# Altium PCB Grandmaster.PcbDoc (part 2 of 3) (continued)
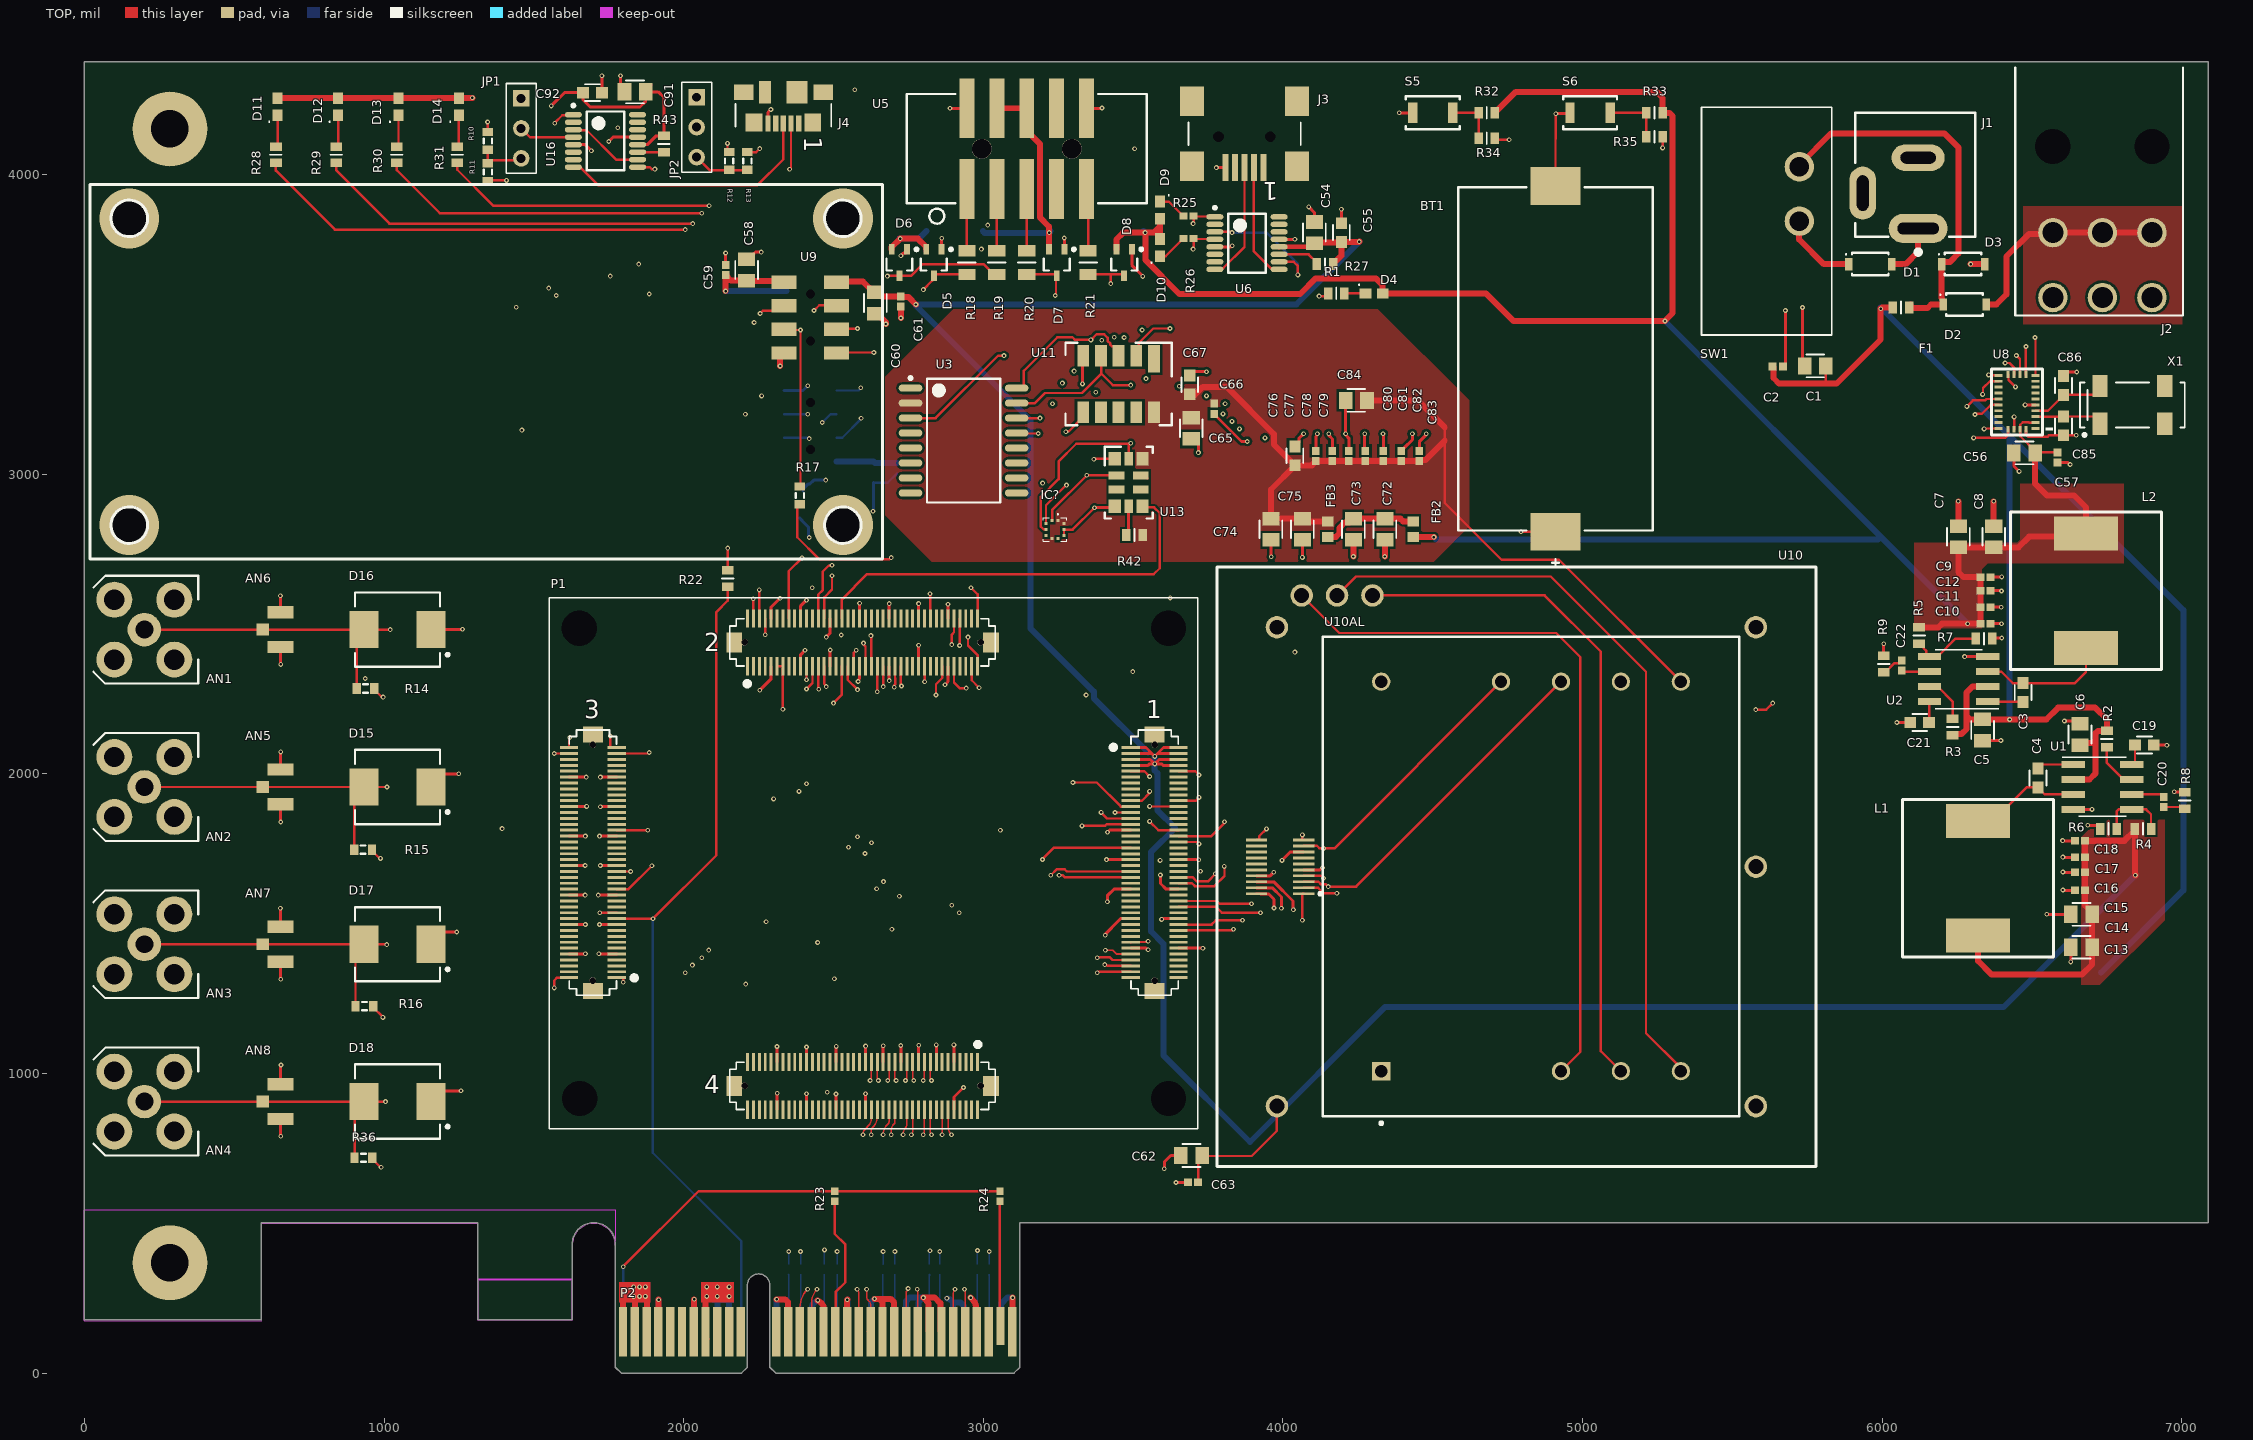
[diagram p0: TOP view]
## Nets (pads, with @x,y where several pads share a name; then routed paths per layer and width w, separated by ;. In a path a pad name is that pad's centre, name@x,y a point inside that pad or via, vN(x,y) a via of type N, cw(c..) or ccw(c..) an arc to the next point about the centre after c; other vN are vias at no path point) (continued)
  TOP w20: v1@1915.49,244.76 1915.49,111.71 P2.B4@1916.14,111.06 ; P2.B7@2034.25,111.06 2034.25,245.47 v1(2034.84,246.06) ; v1(2309.84,246.06) 2338.58,246.06 2347.56,237.08 2347.56,112.71 P2.B13@2349.21,111.06 ; v1(2321.54,3361.06) 2321.54,3397.76 U9.8@2329.84,3406.06 ; v1(2447.05,242.59) 2459.34,233.29 cw(c2447.32,217.31) 2467.32,217.31 P2.B16@2467.32,111.06 ; P2.B18@2545.45,111.67 2545.45,244.23 v1(2546.06,244.84) ; C60.2@2639.84,3535.63 2645.75,3535.63 2674.84,3506.54 v1(2674.84,3501.06) ; P2.B21@2663.39,137.8 2663.39,235.33 2651.67,247.05 2637.73,247.05 v1(2636.87,247.91) 2690.79,247.91 2702.5,236.19 P2.B22@2702.5,180.6 ; P2.B22@2702.76,137.8 2702.5,138.05 P2.B22@2702.5,180.6 ; P2.B22@2703.54,111.06 2703.54,179.56 P2.B22@2702.5,180.6 ; v1(2724.84,3521.06) C61.2@2724.84,3559.13 ; P2.B25@2820.87,137.8 2817.66,141 2817.66,233.52 2799.21,251.97 2837.6,251.97 2856.54,233.03 2856.54,141.49 2857.02,141.01 P2.B26@2860.24,137.8 ; v1(2957.48,251.97) 2969.71,237.9 cw(c2954.65,224.74) 2974.65,224.74 2974.65,141.49 2975.13,141.01 P2.B29@2978.35,137.8 ; P2.B32@3097.24,111.06 3097.44,111.26 v1(3097.44,251.97) ; v1(4234.84,2725.06) C73.1@4234.84,2780.63 ; v1(4339.84,2725.06) C72.1@4339.84,2780.63 ; C7.2@6253.94,2826.77 v1(6253.94,2909.45) ; C8.2@6372.05,2826.77 v1(6372.05,2909.45)
  IN1 w8: v1(3183.07,3135.83) 3210.63,3135.83 3262.8,3187.99 3297.24,3187.99 3331.69,3153.54 3331.69,3075.79 3275.59,3019.69 3275.59,2984.25 3276.26,2983.58 3276.26,2964.88 v1(3277.56,2963.58) 3351.55,2889.59 3369.31,2889.59 v1(3370.84,2888.06)
  BOTTOM w8: C89.2@2632.84,2971.63 2681.13,2971.63 2711.84,3002.35 C90.2@2711.84,3003.13
  BOTTOM w10: U14.8@2334.84,3279.06 2397.84,3279.06 v1(2413.84,3295.06) ; C88.2@2385.77,2854.06 2386.56,2854.06 2394.16,2846.46 2394.16,2845.68 2415.84,2823.99 2415.84,2792.06 v1(2419.28,2788.63) ; C87.2@2398.28,2944.06 2398.28,2949.97 2415.91,2967.61 2421.82,2967.61 2434.28,2980.06 v1(2473.84,2980.06) ; v1(2631.84,2876.06) 2632.84,2877.06 C89.2@2632.84,2971.63
  BOTTOM w20: P2.A4@1916.14,111.06 v1(1916.14,244.76) ; P2.A12@2309.84,111.06 v1(2309.84,246.06) ; P2.A15@2427.95,111.06 2427.95,218.88 cw(c2447.95,218.88) 2436.58,235.33 v1(2447.05,242.59) ; P2.A18@2546.06,111.06 v1(2546.06,244.84) ; P2.A20@2624.8,111.06 2624.8,235.83 v1(2636.87,247.91) ; P2.A23@2742.13,137.8 2742.13,240.25 2753.84,251.97 v1@2799.21,251.97 ; P2.A24@2781.5,137.8 2782.73,139.03 2782.73,235.49 v1@2799.21,251.97 ; v1(2800,251.97) v1@2799.21,251.97 ; v1@2878.31,249.6 cw(c2876.91,229.64) 2891.04,243.8 ; 2891.06,243.79 2898.86,235.98 ; P2.A27@2899.61,137.8 2898.86,138.54 2898.86,235.98 ; P2.A28@2938.98,137.8 2935.76,141.01 2934.98,141.8 2934.98,224.26 2923.26,235.98 2898.86,235.98 ; P2.A31@3057.09,137.8 P2.A31@3058.32,139.03 ; P2.A31@3057.87,111.06 3058.32,111.51 P2.A31@3058.32,139.03 ; v1(3097.44,251.97) 3079.88,251.97 3059.3,231.39 3059.3,140.02 P2.A31@3058.32,139.03
  other v1: 2878.28,249.6 3554.84,1941.06 2581.84,2308.06 937.01,2317.91 2860.84,3787.06 3269.84,3788.06
  other v2: 149.51,2830.05 2531.4,2830.05 149.51,3853.67 2531.4,3853.67
GPS1_RST: P1.1-22 U9.4 | length 3087.2
  TOP w8: v1(2254.84,3536.06) 2264.28,3545.5 2311.8,3545.5 U9.4@2329.84,3563.54 ; v1(3554.84,1891.06) 3555.12,1890.78 3651.18,1890.78 P1.1-22@3651.46,1890.5
  IN1 w8: v1(2299.84,1916.06) 3334.5,1916.06 3350.5,1900.06 3444.07,1900.06 3453.07,1891.06 v1(3554.84,1891.06)
  IN2 w8: v1(2254.84,3536.06) 2299.84,3491.06 v1(2299.84,1916.06)
GPS1_RX: JP2.1 P1.2-79 U9.5 | length 2850.7
  TOP w8: U9.5@2504.84,3484.8 2578.58,3484.8 v1(2579.84,3486.06) ; v1(2948.84,2456.06) 2948.84,2428.06 2980.69,2396.21 P1.2-79@2980.69,2358.81
  IN1 w8: v1(2525.84,2463.06) 2598.56,2463.06 2616.56,2481.06 2923.84,2481.06 v1(2948.84,2456.06)
  IN2 w8: JP2.1@2043.31,4257.87 2163.39,4257.87 2294.29,4126.97 2294.29,3901.94 ccw(c2302.29,3901.94) 2296.63,3896.28 2577.47,3615.44 cw(c2571.84,3609.76) 2579.84,3609.8 ; v1(2525.84,2463.06) 2525.84,2613.08 cw(c2533.84,2613.08) 2528.19,2618.74 2664.98,2755.53 ccw(c2659.32,2761.19) 2667.32,2761.19 2667.32,3155.51 2527.84,3294.99 2527.84,3434.06 v1(2579.84,3486.06) 2579.84,3609.76
GPS1_TP1: P1.1-32 R17.1 R36.1 U9.6 | length 6322
  TOP w8: R36.1@960.63,718.5 960.63,714.57 988.19,687.01 v1(990.16,687.01) ; U9.6@2329.84,3484.8 2333.58,3481.06 v1(2389.84,3481.06) 2389.84,2960.71 R17.1@2387.8,2958.66 ; P1.1-32@3651.46,1792.07 3760.85,1792.07 3804.84,1836.06 v1(3804.84,1840.06)
  IN1 w8: v1(1393.7,1816.93) 1517.83,1941.06 v1(2384.84,1941.06) 3332.13,1941.06 3357.13,1916.06 3569.78,1916.06 3588.78,1897.06 3747.84,1897.06 v1(3804.84,1840.06)
  IN2 w8: v1(990.16,687.01) 1217.52,687.01 1363.19,832.68 1363.19,1786.42 v1(1393.7,1816.93) ; v1(2384.84,1941.06) 2384.84,1943.23 2389.84,1948.23 2389.84,2398.78 2341.54,2447.09 2341.54,3430.59 2389.84,3478.9 v1(2389.84,3481.06)
GPS1_TP2: P1.1-34 U9.7 | length 3109.4
  TOP w8: U9.7@2504.84,3406.06 v1(2634.84,3406.06) ; P1.1-34@3651.46,1772.39 3715.16,1772.39 3719.84,1767.71 v1(3719.84,1766.06)
  IN1 w8: v1(2549.84,1755.06) 2612.13,1755.06 2617.13,1750.06 3483.86,1750.06 3499.86,1766.06 v1(3719.84,1766.06)
  IN2 w8: v1(2549.84,1755.06) 2549.84,2609.52 cw(c2557.84,2609.52) 2552.19,2615.18 2684.66,2747.66 ccw(c2679.01,2753.31) 2687.01,2753.31 2687.01,3353.9 v1(2634.84,3406.06)
GPS1_TX: JP1.1 P1.2-80 U9.3 | length 3472.4
  TOP w8: v1(2434.84,3546.06) 2452.32,3563.54 U9.3@2504.84,3563.54 ; v1(2958.84,2621.06) 2980.69,2599.21 P1.2-80@2980.69,2518.25
  IN1 w8: v1(1440.84,3557.06) 2423.84,3557.06 v1(2434.84,3546.06) ; v1(2429.19,2621.06) v1(2958.84,2621.06)
  IN2 w8: JP1.1@1438.84,4260.06 1380.84,4202.06 1380.84,3617.06 v1(1440.84,3557.06) ; v1(2429.19,2621.06) 2362.2,2688.05 2362.2,3298.9 2459.46,3396.15 2459.46,3521.45 v1(2434.84,3546.06)
GPS2_RST: P1.1-35 U14.4 | length 2494.1
  TOP w8: v1(3197.26,1714.06) 3197.26,1715.48 3234.48,1752.7 P1.1-35@3492.02,1752.7
  IN1 w8: v1(2418.72,3118.51) 2428.4,3118.51 2577.42,2969.49 3096.55,2969.49 3097.13,2970.06 v1(3197.84,2970.06)
  IN2 w8: v1(3197.26,1714.06) 3197.26,2969.48 v1(3197.84,2970.06)
  BOTTOM w8: U14.4@2334.84,3121.58 2415.64,3121.58 v1(2418.72,3118.51)
GPS2_RX: P1.3-1 R12.1 U14.5 | length 5582.5
  TOP w8: P1.3-1@1776.55,1319.67 1797.31,1319.67 1798.23,1318.75 v1(1798.23,1304.13) ; v1(2146.07,4103.79) 2146.07,4076.37 2147.64,4074.8 R12.1@2151.57,4074.8
  IN1 w8: v1(1459.84,3147.06) 2435.45,3147.06 2460.63,3172.24 v1(2462.37,3172.24) ; v1(1798.23,1304.13) 1810.16,1316.06 2013.13,1316.06 2016.13,1319.06 2499.84,1319.06 v1(2502.84,1316.06)
  IN2 w8: v1(1459.84,3147.06) 1459.84,3463.78 1478.35,3482.28 1478.35,3892.85 1631.89,4046.39 1631.89,4199.8 1681.1,4249.02 1836.61,4249.02 1925.2,4160.43 1979.33,4106.3 2143.56,4106.3 v1(2146.07,4103.79) ; v1(2462.37,3172.24) 2653.54,2981.07 2653.54,2767.72 2505.84,2620.02 2505.84,2442.78 2519.84,2428.78 2519.84,2227.78 2502.84,2210.78 v1(2502.84,1316.06)
  BOTTOM w8: v1(2462.37,3172.24) 2490.45,3200.32 U14.5@2509.84,3200.32
GPS2_TP1: P1.1-43 U14.6 | length 2783.9
  TOP w8: v1(3224.84,1661.35) 3244.56,1681.06 3271.69,1681.06 3278.79,1673.96 P1.1-43@3492.02,1673.96
  IN1 w8: v1(2414.06,3199.85) 2416.22,3199.85 2429.1,3212.73 2438.51,3212.73 2460.84,3235.06 2680.42,3235.06 2702.92,3257.56 2974.61,3257.56 2997.11,3235.06 v1(3230.84,3235.06)
  IN2 w8: v1(3224.84,1661.35) 3224.84,3229.06 v1(3230.84,3235.06)
  BOTTOM w8: U14.6@2334.84,3200.32 2335.31,3199.85 v1(2414.06,3199.85)
GPS2_TP2: P1.1-45 U14.7 | length 2654.7
  TOP w8: v1(3252.84,1661.06) 3265.87,1661.06 3272.65,1654.28 P1.1-45@3492.02,1654.28
  IN1 w8: v1(2590.84,3288.06) 2593.01,3288.06 2598.01,3293.06 3252.84,3293.06 v1(3263.7,3303.92)
  IN2 w8: v1(3252.84,1661.06) 3252.84,3293.06 v1(3263.7,3303.92)
  BOTTOM w8: U14.7@2509.84,3279.06 2583.84,3279.06 2589.84,3285.06 2589.84,3287.06 v1(2590.84,3288.06)
GPS2_TX: P1.3-2 R10.1 U14.3 | length 5190.8
  TOP w8: v1(1345.47,4175.2) 1345.47,4142.72 R10.1@1346.46,4141.73 ; v1(1567.91,1285.43) 1567.91,1310.04 1577.55,1319.67 P1.3-2@1617.11,1319.67
  IN1 w8: v1(1567.91,1285.43) 1572.17,1281.18 2189.96,1281.18 v1(2206.84,1298.06) ; v1(2205.84,3200.06) 2385.56,3200.06 2411.56,3174.06 2428.13,3174.06 2454.13,3200.06 2577.4,3200.06 2591.24,3186.22 v1(2591.84,3186.22)
  IN2 w8: v1(1345.47,4175.2) 1345.47,4266.73 1393.7,4314.96 1586.61,4314.96 1625,4276.57 1881.89,4276.57 1951.77,4206.69 2143.7,4206.69 2205.84,4144.55 v1(2205.84,3200.06) 2205.84,2468.11 2225.96,2447.99 2225.96,2429.08 2205.84,2408.96 2205.84,1299.06 v1(2206.84,1298.06)
  BOTTOM w8: U14.3@2509.84,3121.58 2529.23,3121.58 2591.84,3184.19 v1(2591.84,3186.22) v1@2590.31,3187.75
IMU_BOOT: P1.1-62 U8.4 | length 4561.5
  TOP w8: P1.1-62@3651.46,1496.8 3761.65,1496.8 3775.91,1511.06 v1(3864.84,1511.06) ; v1(6439.84,3191.06) 6440,3190.91 U8.4@6440,3150.02
  IN1 w8: v1(3829.84,3176.06) 6274.84,3176.06 6275.84,3175.06 6361.79,3175.06 6377.79,3191.06 v1(6439.84,3191.06)
  IN2 w8: v1(3829.84,3176.06) 3829.84,2873.52 3824.34,2868.02 3824.34,2361.9 3864.84,2321.4 v1(3864.84,1511.06)
IMU_CLKSEL0: P1.1-64 U8.10 | length 4522.1
  TOP w8: P1.1-64@3651.46,1477.11 3652.38,1478.03 3831.81,1478.03 v1(3834.84,1481.06) ; v1(6309.42,3199.06) 6311.42,3201.06 6331.86,3201.06 6362.02,3231.22 U8.10@6388.33,3231.22
  IN1 w8: v1(3799.84,3201.06) 3800.84,3200.06 6308.42,3200.06 v1(6309.42,3199.06)
  IN2 w8: v1(3799.84,3201.06) 3799.84,2356.4 3834.84,2321.4 v1(3834.84,1481.06)
IMU_ENV_SCL: P1.3-31 U8.15 | length 6353.8
  TOP w8: P1.3-31@1776.55,1614.95 1815.73,1614.95 v1(1893.84,1693.06) ; v1(3589.84,1711.06) v1@3591.54,1711.06 ; v1(6354.75,3331.14) 6356.24,3329.65 U8.15@6388.33,3329.65
  IN1 w8: v1(1893.84,1693.06) 3204.55,1693.06 3205.83,1694.35 3312.13,1694.35 3312.83,1693.65 3419.13,1693.65 3436.54,1711.06 v1(3589.84,1711.06) ; v1(3542.86,3319.04) 6342.65,3319.04 v1(6354.75,3331.14)
  IN2 w8: v1(3542.86,3319.04) 3542.86,2415.8 3604.84,2353.82 3604.84,2090 3613.84,2081 3613.84,1735.06 v1(3589.84,1711.06)
IMU_ENV_SDA: P1.3-37 U8.16 | length 6452.8
  TOP w8: P1.3-37@1776.55,1674 v1(1822.78,1674) ; v1@3724.29,1674.51 v1(3724.84,1675.06) ; U8.16@6420.31,3332.11 6421.24,3331.18 6421.24,3314.67 v1(6444.84,3291.06)
  IN1 w8: v1(1822.78,1674) 1882.5,1674 1883.56,1675.06 1885.56,1673.06 3202.93,1673.06 3211.22,1681.35 3306.75,1681.35 3307.44,1680.65 3429.63,1680.65 3431.04,1682.06 3599.13,1682.06 3606.13,1675.06 v1(3724.84,1675.06) ; v1(3653.84,3293.06) 3655.37,3294.59 3661.03,3294.59 3662.5,3296.06 6433.35,3296.06 6438.35,3291.06 v1(6444.84,3291.06)
  IN2 w8: v1(3653.84,3293.06) 3695.87,3251.04 3695.87,1700.04 3720.84,1675.06 v1(3724.84,1675.06)
IMU_INT: P1.1-46 U8.14 | length 4434.2
  TOP w8: P1.1-46@3651.46,1654.28 3699.2,1654.28 3712.42,1641.06 3749.84,1641.06 3773.86,1665.08 v1(3773.86,1666.1) ; v1@6334.84,3269.78 v1(6334.84,3266.06) 6336.37,3267.59 6336.37,3287.16 6359.48,3310.26 6388.02,3310.26 U8.14@6388.33,3309.96 U8.14@6379.96,3309.96
  IN1 w8: v1(3744.84,3261.06) 3747.01,3261.06 3750.71,3264.76 5049.54,3264.76 5050.84,3266.06 v1(6334.84,3266.06)
  IN2 w8: v1(3744.84,3261.06) 3744.84,1711.06 3774.84,1681.06 3774.84,1667.08 v1(3773.86,1666.1)
IMU_NRST: P1.1-48 U8.11 | length 4382.6
  TOP w8: P1.1-48@3651.46,1634.59 3696.26,1634.59 3705.79,1625.06 3770.61,1625.06 3804.84,1659.29 3804.84,1690.06 v1(3803.84,1691.06) ; v1(6282.42,3226.06) 6302.42,3246.06 6343.13,3246.06 6347.97,3250.91 U8.11@6388.33,3250.91
  IN1 w8: v1(3806.84,3235.06) 6269.09,3235.06 6278.09,3226.06 v1(6282.42,3226.06)
  IN2 w8: v1(3803.84,1691.06) 3803.84,1692.06 3769.84,1726.06 3769.84,3215.06 3789.84,3235.06 v1(3806.84,3235.06)
IMU_PS0: P1.1-54 U8.6 | length 4398.3
  TOP w8: P1.1-54@3651.46,1575.54 3779.04,1575.54 3788.52,1566.06 v1(3894.84,1566.06) ; v1(6339.84,3151.06) 6341.26,3152.48 U8.6@6388.33,3152.48
  IN1 w8: v1(3854.84,3151.06) 3857.01,3151.06 3861.01,3155.06 4060.56,3155.06 6333.68,3155.06 6337.68,3151.06 v1(6339.84,3151.06)
  IN2 w8: v1(3854.84,3151.06) 3854.84,2875.9 3840.34,2861.4 3840.34,2368.53 3894.84,2314.03 v1(3894.84,1566.06)
IMU_PS1: P1.1-56 U8.5 | length 4384.7
  TOP w8: P1.1-56@3651.46,1555.85 3776.11,1555.85 3795.9,1536.06 v1(3924.84,1536.06) ; v1(6304.84,3121.06) 6410.43,3121.06 6420.31,3130.94 U8.5@6420.31,3150.02
  IN1 w8: v1(3939.84,3121.06) 3942.01,3121.06 3948.01,3115.06 4012.57,3115.06 6296.68,3115.06 6302.68,3121.06 v1(6304.84,3121.06)
  IN2 w8: v1(3924.84,1536.06) 3924.84,1681.2 3920.84,1685.2 3920.84,3102.06 v1(3939.84,3121.06)
KEY1: P1.3-23 R34.1 | length 5787.3
  TOP w8: v1(1719.84,1536.06) 1719.92,1536.14 1776.48,1536.14 P1.3-23@1776.55,1536.21 ; R34.1@4707.01,4121.06 4712.14,4115.93 v1(4754.71,4115.93)
  IN1 w8: v1(1779.84,4156.06) 1965.12,4156.06 2018.7,4209.65 2067.91,4209.65 2121.49,4156.06 3970.1,4156.06 4010.23,4115.93 v1(4754.71,4115.93)
  IN2 w8: v1(1719.84,1536.06) 1779.84,1596.06 v1(1779.84,4156.06)
KEY2: P1.1-67 R35.1 | length 4531.6
  TOP w8: P1.1-67@3492.02,1437.74 3492.94,1438.66 3547.44,1438.66 v1(3549.84,1441.06) ; v1(5267.01,4088.9) R35.1@5267.01,4126.06
  IN1 w8: v1(3504.84,4086.06) 3507.68,4088.9 v1(5267.01,4088.9)
  IN2 w8: v1(3504.84,4086.06) 3519.84,4071.06 3519.84,3776.92 3509.84,3766.92 3509.84,3323.78 3523.62,3310 3523.62,1467.28 v1(3549.84,1441.06)
LED1: P1.1-77 R28.1 | length 5441.9
  TOP w8: R28.1@638.97,4038.9 638.97,4012.94 835.84,3816.06 v1(2004.84,3816.06) ; v1(3379.84,1336.06) 3383.1,1339.32 P1.1-77@3492.02,1339.32
  IN1 w8: v1(2004.84,1336.06) v1(3379.84,1336.06)
  IN2 w8: v1(2004.84,1336.06) v1(2004.84,3816.06)
LED2: P1.1-75 R29.1 | length 5229.2
  TOP w8: R29.1@840.64,4038.9 840.64,4013.27 1017.84,3836.06 v1(2029.84,3836.06) ; v1(3404.84,1363.32) 3409.17,1363.32 3413.49,1359 P1.1-75@3492.02,1359
  IN1 w8: v1(2028.84,1361.66) 2029.44,1361.06 3402.58,1361.06 v1(3404.84,1363.32)
  IN2 w8: v1(2028.84,1361.66) 2029.84,1362.66 v1(2029.84,3836.06)
LED3: P1.1-73 R30.1 | length 5022.6
  TOP w8: R30.1@1042.3,4038.9 1042.3,4014.6 1185.84,3871.06 v1(2059.84,3871.06) ; v1(3379.84,1386.06) 3381.1,1387.32 3422.52,1387.32 3431.15,1378.69 P1.1-73@3492.02,1378.69
  IN1 w8: v1(2059.84,1386.06) v1(3379.84,1386.06)
  IN2 w8: v1(2059.84,1386.06) v1(2059.84,3871.06)
LED4: P1.1-71 R31.1 | length 4812
  TOP w6: v1(3407.28,1411.32) 3431.86,1411.32 3444.81,1398.37 P1.1-71@3492.02,1398.37
  TOP w8: R31.1@1243.97,4038.9 1243.97,4015.94 1363.84,3896.06 v1(2084.84,3896.06)
  IN1 w6: v1(2083.84,1411.66) 2084.01,1411.49 3407.11,1411.49 v1(3407.28,1411.32)
  IN2 w6: v1(2083.84,1411.66) 2084.34,1412.16 2084.34,3895.56 v1(2084.84,3896.06)
MAC_10Mout: P1.2-11 P1.2-13 P1.2-33 R16.1 U10.P1 U10.P3 U10AL.12 | length 12508.7
  TOP w8: R16.1@963.58,1224.41 963.58,1220.47 996.06,1187.99 v1(996.06,1187.01) ; P1.2-11@2311.4,2358.81 P1.2-13@2331.08,2358.81 2331.08,2215.3 v1(2330.84,2215.06) ; v1(2499.84,2236.06) 2527.93,2264.15 P1.2-33@2527.93,2358.81 ; v1(5577.84,2214.06) 5612.84,2214.06 v1(5634.84,2236.06)
  IN1 w8: v1(996.06,1187.01) 860.24,1322.83 860.24,2098.43 997.85,2236.04 v1(2499.84,2236.06) ; v1(2330.84,2215.06) v1@5577.84,2215.06 ; v1(2499.84,2236.06) v1(5634.84,2236.06)
  IN2 w8: U10AL.12@4327.76,2307.48 4534.84,2100.39 5634.84,2100.39 ; U10.P1@5578.15,890.62 5634.84,947.31 5634.84,2100.39 ; U10.P3@5578.15,2489.04 5578.15,2214.37 v1(5577.84,2214.06) 5580.01,2214.06 5584.45,2218.5 5586.61,2218.5 ; v1(5634.84,2236.06) 5634.84,2100.39
MAC_ALARM: P1.2-35 U10.20 | length 2022.1
  TOP w8: P1.2-35@2547.62,2358.81 2547.62,2313.28 v1(2579.84,2281.06) ; U10.20@3911.42,1779.62 3919.72,1779.62 3920.64,1780.54 3920.64,1791.86 v1(3944.84,1816.06)
  IN1 w8: v1(2579.84,1790.06) 2635.13,1790.06 2646.13,1779.06 3465.84,1779.06 3486.84,1800.06 3635.86,1800.06 3651.86,1816.06 v1(3944.84,1816.06)
  IN2 w8: v1(2579.84,1790.06) v1(2579.84,2281.06)
MAC_BITE: P1.2-37 U10.P6 U10AL.4 | length 4145.7
  TOP w8: P1.2-37@2567.3,2358.81 2567.3,2403.52 v1(2575.84,2412.06) ; U10.P6@4062.4,2595.34 4187.88,2469.87 4912.02,2469.87 4992.13,2389.76 4992.13,1071.85 U10AL.4@4927.76,1007.48
  IN1 w8: v1(2575.84,2412.06) 2580.17,2412.06 2586.17,2406.06 v1(4039.84,2406.06)
  IN2 w8: v1(4039.84,2406.06) 4062.4,2428.62 U10.P6@4062.4,2595.34
MAC_PPS_IN0+: P1.2-45 R14.1 R17.2 U10.5 U10AL.9 | length 6075.7
  TOP w8: R14.1@967.52,2284.45 967.52,2280.51 990.46,2257.57 995.3,2257.57 v1(996.84,2256.04) ; R17.2@2387.8,2899.61 2378.94,2890.75 2378.94,2789.37 2449.43,2718.88 ccw(c2455.09,2724.54) 2455.09,2716.54 2684.68,2716.54 ccw(c2684.68,2724.54) 2690.34,2718.88 v1(2692.91,2721.46) ; v1(2645.84,2274.06) 2645.84,2299.35 2646.04,2299.55 P1.2-45@2646.04,2358.81 ; U10.5@4068.9,1639.62 4118,1639.62 4126.56,1631.06 4142.62,1631.06 4150.06,1623.62 4243.9,1623.62 U10AL.9@4927.76,2307.48
  IN1 w8: v1(996.84,2256.04) 1732.26,2256.04 1739.23,2249.06 2472.49,2249.06 2494.09,2270.67 2529.53,2270.67 2549.21,2250.98 2608.27,2250.98 2629.82,2272.53 2644.31,2272.53 v1(2645.84,2274.06) ; v1(2643.84,1616.06) 3469.63,1616.06 3477.19,1623.62 v1(4151.31,1623.62)
  IN2 w8: v1(2643.84,1616.06) 2643.84,1711.06 2648.84,1716.06 2648.84,2265.41 2647.37,2266.88 2647.37,2272.53 v1(2645.84,2274.06) 2645.84,2379.11 2665.35,2398.62 2665.35,2503.94 2638.78,2530.51 2638.78,2667.32 v1(2692.91,2721.46)
MAC_PPS_IN0-: P1.2-47 U10.7 | length 2261.3
  TOP w8: P1.2-47@2665.73,2358.81 2665.73,2291.17 v1(2665.84,2291.06) ; U10.7@4068.9,1659.62 4126.16,1659.62 4134.72,1651.06 v1(4134.84,1651.06)
  IN1 w8: v1(2666.84,1640.06) 2667.84,1641.06 3782.77,1641.06 3792.77,1651.06 v1(4134.84,1651.06)
  IN2 w8: v1(2665.84,2291.06) 2665.84,1641.06 v1(2666.84,1640.06)
MAC_PPS_IN1+: P1.2-51 U10.1 | length 2391.1
  TOP w8: v1@2702.84,2293.06 2702.84,2295.23 2705.84,2298.23 2705.84,2319.35 2705.1,2320.09 P1.2-51@2705.1,2358.81 ; v1(4064.84,1511.06) 4064.84,1598.7 4065.76,1599.62 U10.1@4068.9,1599.62
  IN1 w8: v1(2694.84,1481.06) 3543.78,1481.06 3584.78,1440.06 3993.84,1440.06 v1(4064.84,1511.06)
  IN2 w8: v1(2694.84,1481.06) 2694.84,2284.38 2702.84,2292.38 v1@2702.84,2293.06
  other v1: 2702.84,2289.06
MAC_PPS_IN1-: P1.2-53 U10.3 | length 2359.6
  TOP w8: P1.2-53@2724.78,2358.81 2724.78,2297.29 2726.84,2295.23 v1(2726.84,2293.06) ; U10.3@4068.9,1619.62 4117.28,1619.62 4135.84,1601.06 v1(4179.84,1601.06)
  IN1 w8: v1(2719.84,1591.06) 3082.34,1591.06 3091.34,1600.06 3699.32,1600.06 3705.32,1606.06 3952.96,1606.06 3959.4,1599.62 4178.4,1599.62 v1(4179.84,1601.06)
  IN2 w8: v1(2719.84,1591.06) 2719.84,1592.75 2726.84,1599.75 v1(2726.84,2293.06)
MAC_PPS_OUT+: P1.2-41 R15.1 U10.17 U10AL.10 | length 4873.9
  TOP w8: R15.1@959.65,1747.05 959.65,1743.11 983.71,1719.05 986.66,1719.05 v1(988.19,1717.52) ; v1(2599.84,2436.06) 2599.84,2431.73 2606.67,2424.9 P1.2-41@2606.67,2358.81 ; U10.17@4068.9,1759.62 4113.41,1759.62 4121.06,1751.97 4133.94,1751.97 v1(4134.84,1751.06) 4171.34,1751.06 U10AL.10@4727.76,2307.48
  IN1 w8: v1(988.19,1717.52) 2588.3,1717.52 v1(2604.84,1734.06) 3578.9,1734.06 3579.9,1735.06 4116.9,1735.06 4132.9,1751.06 v1(4134.84,1751.06)
  IN2 w8: v1(2604.84,1734.06) v1@2604.84,2431.38